# Altium PCB HSBNE-MOTOR.PcbDoc (part 3 of 3)
Units mm, origin at the board's own origin, x right, y up, seen from the top; angles counter-clockwise.
Board outline 150.03 x 100.03 mm, 2 copper layers (Top Layer, Bottom Layer); 144 components, 160 nets, 777 pads, 571 vias.
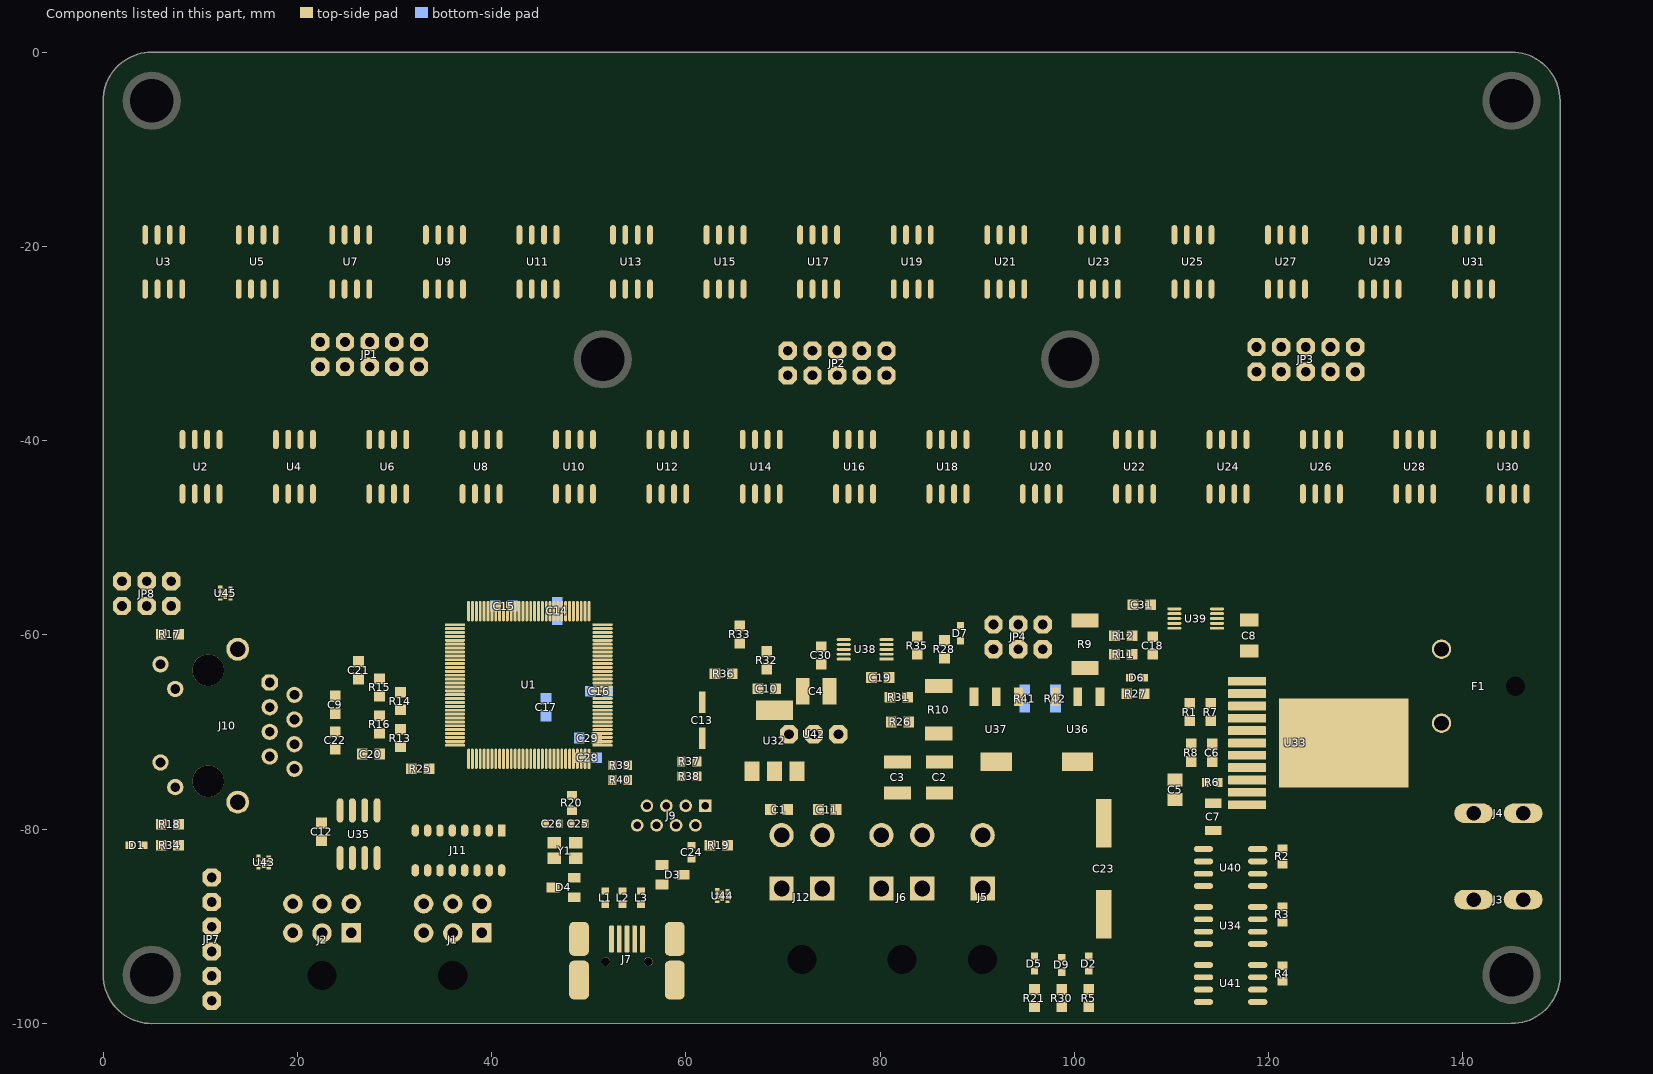
[diagram p3: the components of this part, seen from the top]

## Silkscreen, mask and mechanical layers (free items; w line width, h text height)
Top Overlay:
  lines w0.254: 125.73,-56.769 125.73,-56.134 126.619,-55.88 126.843,-55.24 126.428,-54.559 126.921,-54.066 127.62,-54.513 128.27,-54.249 128.397,-53.472 129.159,-53.467 129.286,-54.234 129.921,-54.483 130.678,-53.97 131.191,-54.483 130.683,-55.118 130.937,-55.88 131.826,-56.134 131.826,-56.769 131.064,-56.896 130.734,-57.673 131.125,-58.288 130.683,-58.801 129.984,-58.359 129.667,-58.547 129.24,-57.318 ccw(c128.804,-56.454) 128.295,-57.277 127.889,-58.547 127.508,-58.42 126.873,-58.791 126.365,-58.293 126.873,-57.658 126.492,-56.896 125.73,-56.769
  text "HSBNE - VEND - MOTOR CONTROLLER" at 13.335,-8.763 h4
  text "2" at 18.923,-29.845 h2
  text "10" at 34.671,-30.226 h2
  text "22" at 113.538,-30.607 h2
  text "30" at 130.937,-30.861 h2
  text "20" at 82.423,-30.988 h2
  text "12" at 65.659,-31.115 h2
  text "9" at 35.052,-33.655 h2
  text "1" at 19.304,-33.782 h2
  text "21" at 114.173,-34.036 h2
  text "19" at 82.677,-34.417 h2
  text "29" at 131.064,-34.417 h2
  text "11" at 66.04,-34.544 h2
  text "Designed By Luke Hovington" at 122.174,-50.546 h1
  text "MISC-IO" at 3.302,-52.197 h1
  text "For Hackerspace Brisbane V1.1" at 119.253,-52.705 h1
  text "SEN" at 92.837,-57.023 h1
  text "DRV" at 97.409,-57.023 h1
  text "GND" at 88.392,-57.15 h1
  text "GND" at 0.635,-59.944 h1
  text "open hardware" at 122.44,-60.659 h2
  text "SEN" at 92.837,-64.262 h1
  text "GND" at 96.52,-64.262 h1
  text "DRV" at 88.392,-64.389 h1
  text "+ /  / -" at 95.758,-77.597 h2 r180
  text "+" at 138.43,-78.994 h2 r90
  text "+ /  / -" at 67.691,-79.502 h2 r180
  text "FTDI" at 10.033,-82.931 h1
  text "26V DC" at 137.287,-83.82 h2
  text "-" at 136.398,-86.614 h2 r270
  text "CAN" at 27.813,-87.63 h1
  text "5V / Out / 1.3A" at 124.206,-96.774 h2
  text "GND" at 14.351,-98.552 h1 r90
Top Solder:
  rectangle: 52.324,-92.837 55.499,-89.789
Mechanical 1:
  lines w0.1: -0.013,-5.004 cw(c4.987,-5.004) 4.987,-0.004 ; 0,-95 0,-5 ; 0.004,-95.013 ccw(c5.004,-95.013) 5.004,-100.013 ; 5,-100 145,-100 ; 5,0 145,0 ; 144.996,0.013 cw(c144.996,-4.987) 149.996,-4.987 ; 145.013,-99.996 ccw(c145.013,-94.996) 150.013,-94.996 ; 150,-95 150,-5